# Altium PCB 15-34级主板.PcbDoc (part 1 of 4)
Units mil, origin at the board's own origin, x right, y up, seen from the top; angles counter-clockwise.
Board outline 2090.18 x 2701.44 mil, 2 copper layers (Top Layer, Bottom Layer); 13 components, 36 nets, 276 pads, 223 vias.
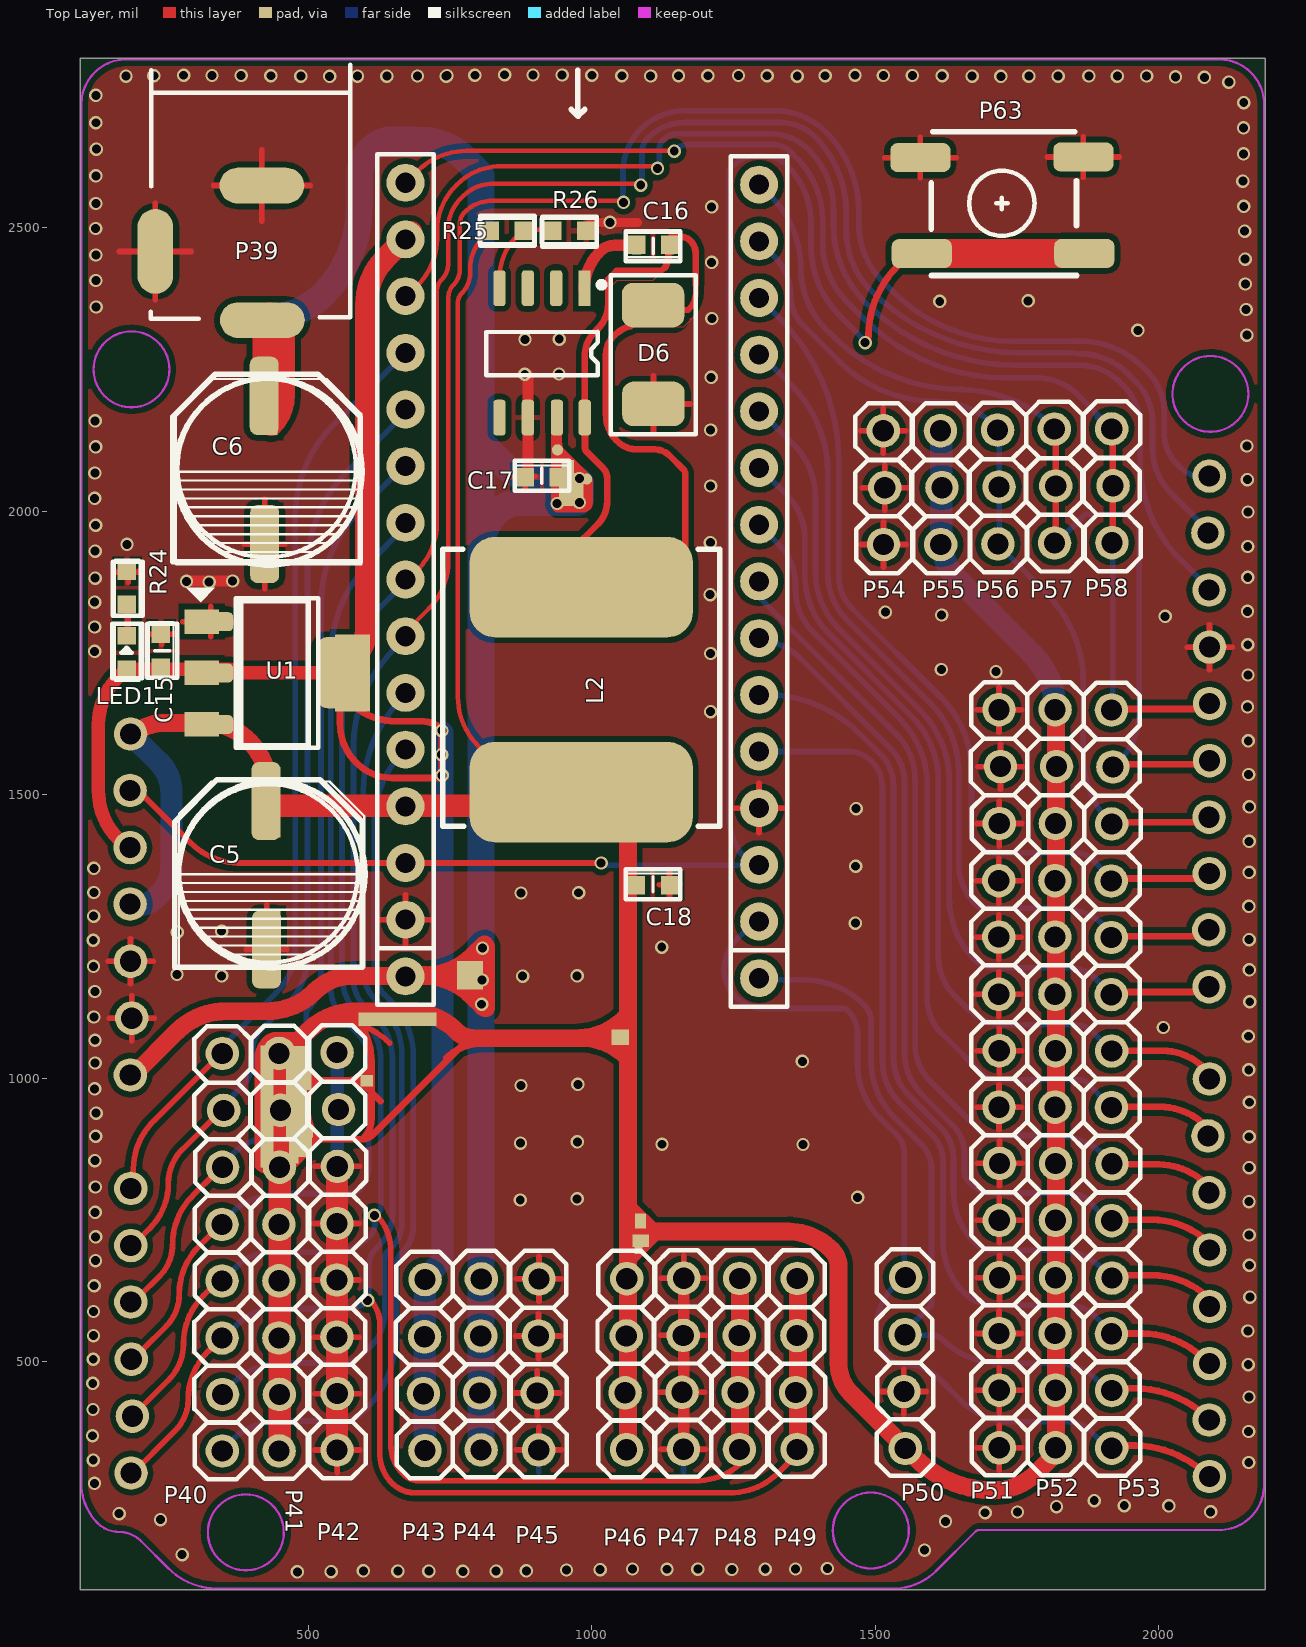
[diagram p0: Top Layer view]
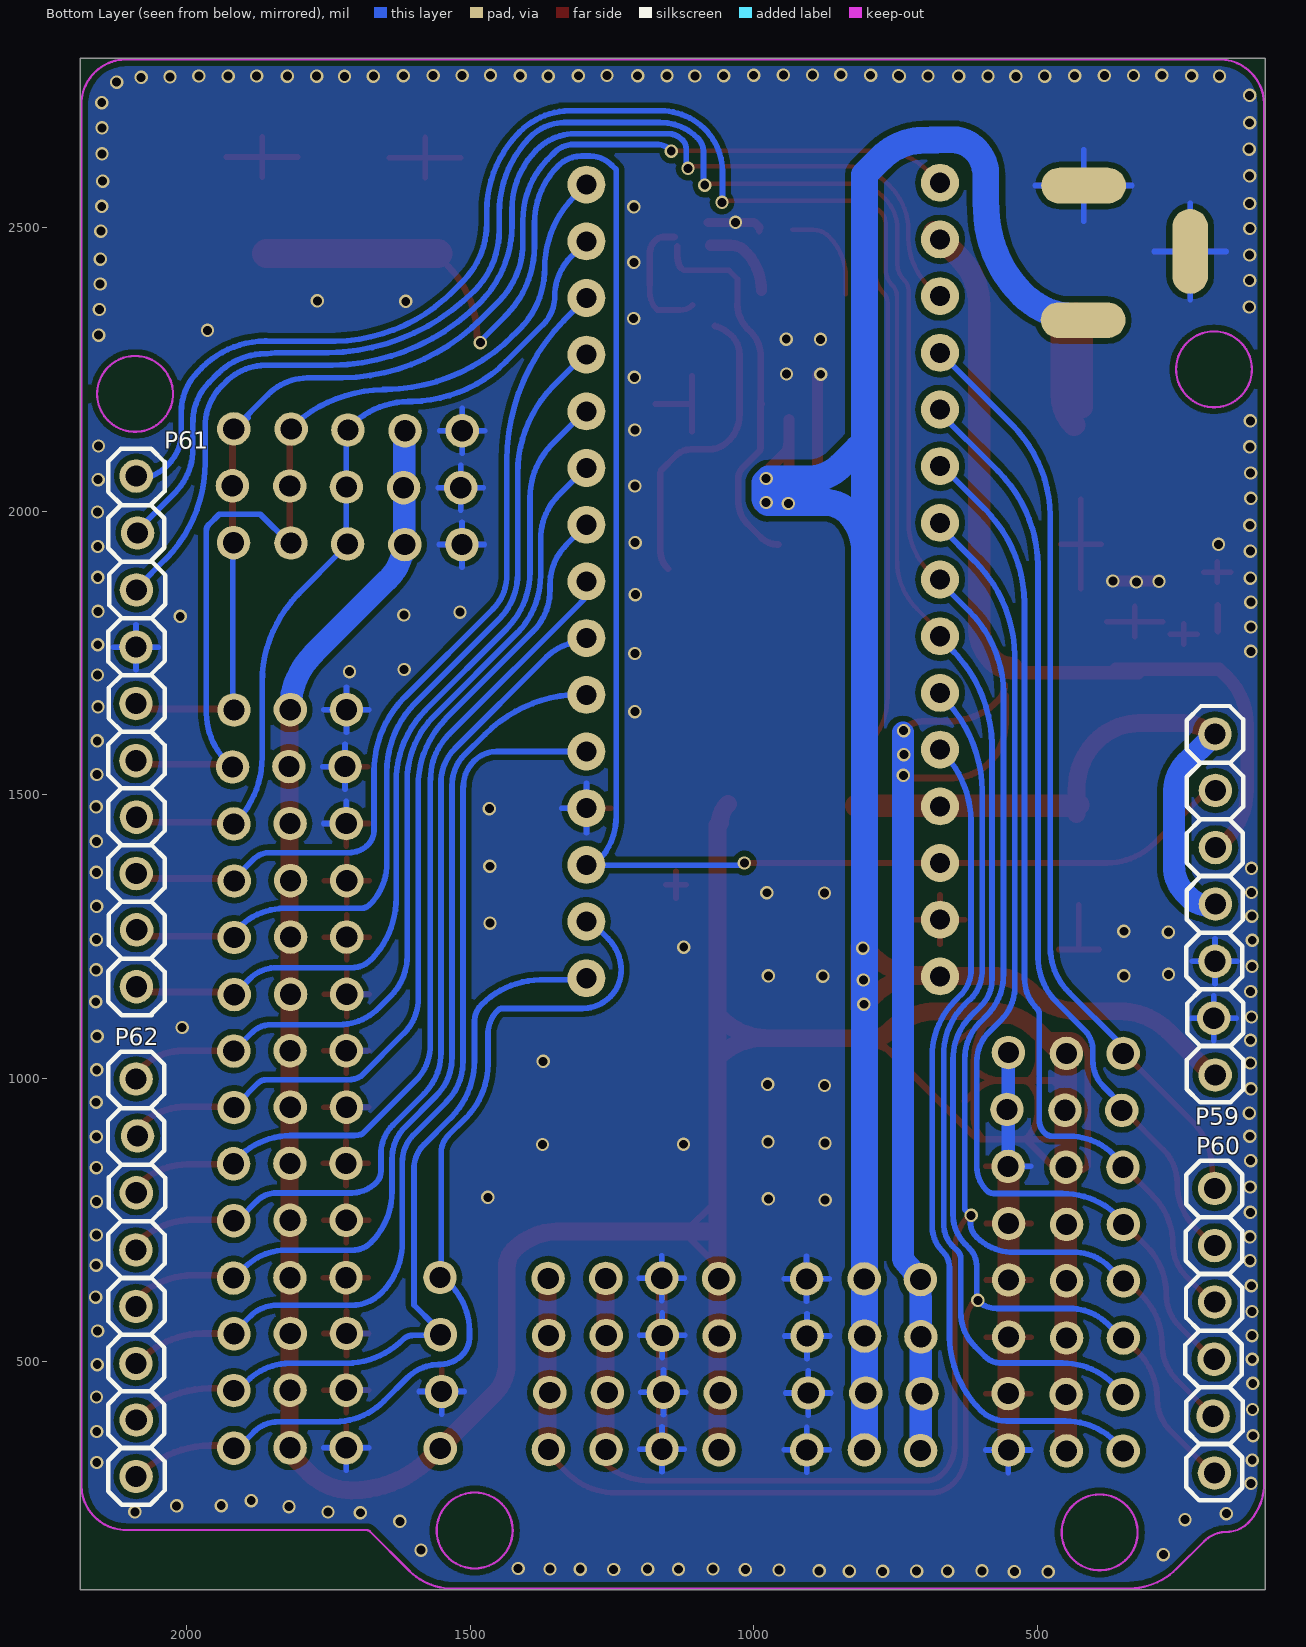
[diagram p1: Bottom Layer view, seen from below]
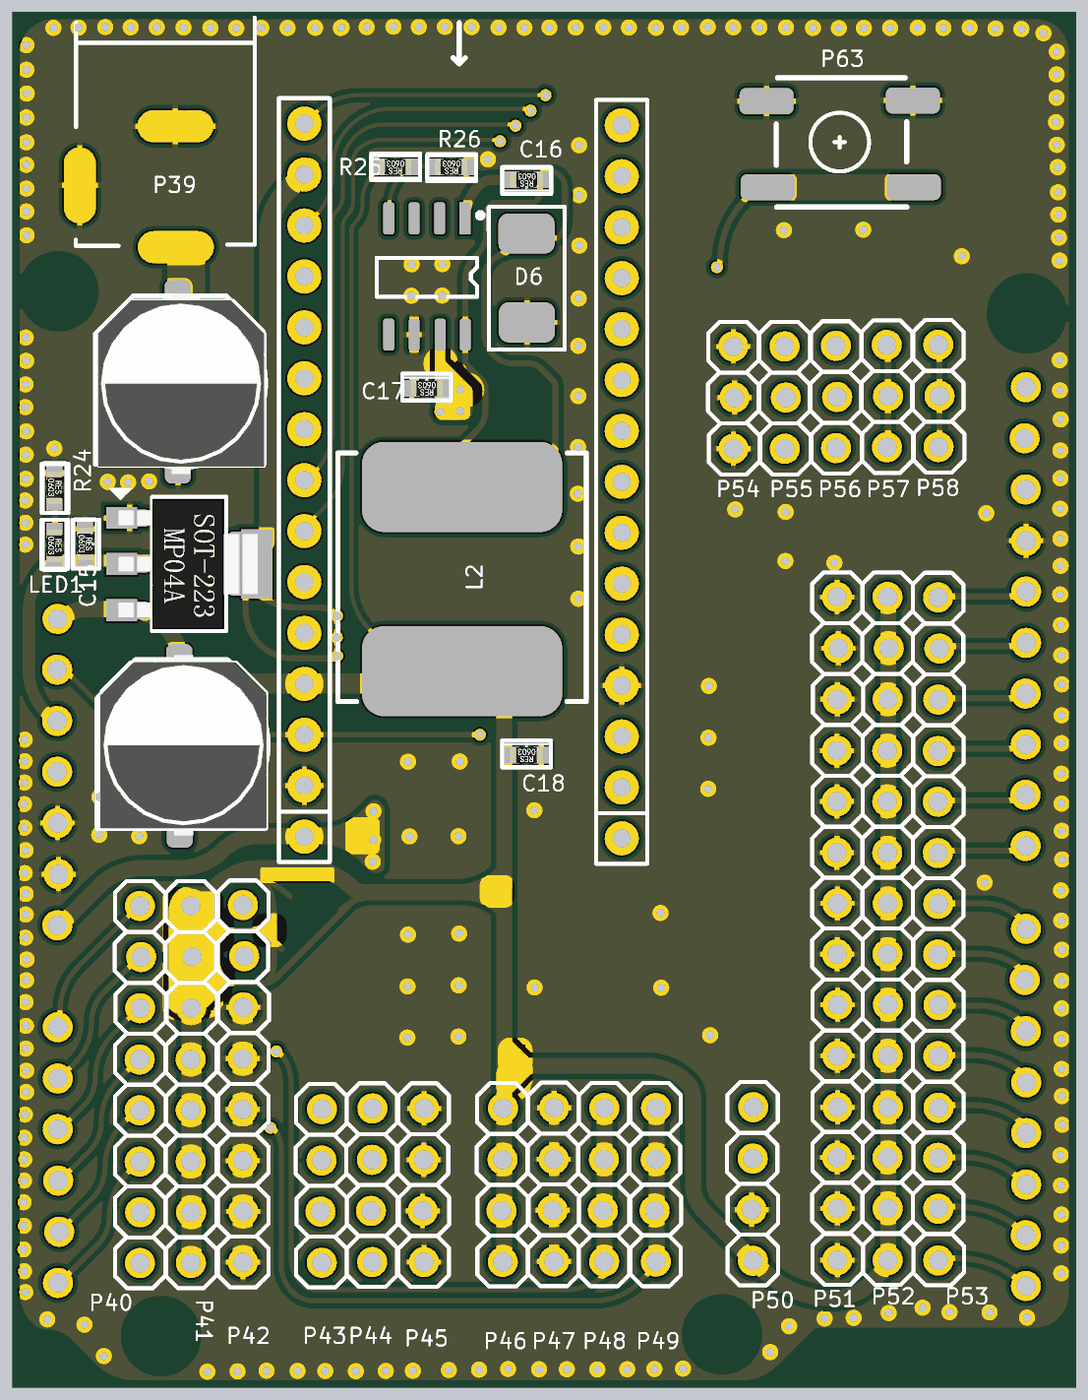
[diagram p5: 3D render of the assembled board from above, using the file's embedded part models]

## Layer stack, top to bottom
Top Layer: signal copper 1.4
Dielectric: dielectric 12.6, FR-4, Dk 4.8
Bottom Layer: signal copper 1.4

## Board outline
97.7,97.7 2187.88,97.7 2187.88,2799.14 97.7,2799.14

## Design rules (kind name [scope] priority, off if disabled: settings)
Clearance [All] p1: gap=10
PolygonConnect PolygonConnect_1 [isvia] p1: connectstyle=Direct reliefconductorwidth=10 reliefentries=4 polygonreliefangle="90 Angle" airgapwidth=10
PolygonConnect CAM_PolygonConnect_$Net45 [InNet('$Net45')] p2: connectstyle=Direct reliefconductorwidth=10 reliefentries=4 polygonreliefangle="90 Angle" airgapwidth=10
PolygonConnect CAM_PolygonConnect_$Net37 [InNet('$Net37')] p3: connectstyle=Direct reliefconductorwidth=10 reliefentries=4 polygonreliefangle="90 Angle" airgapwidth=10
PolygonConnect [All] p4: connectstyle=Relief reliefconductorwidth=10 reliefentries=4 polygonreliefangle="90 Angle" airgapwidth=10
RoutingVias [All] p1: holewidth=28 width=50 viastyle="Through Hole" minholewidth=28 minwidth=50 maxholewidth=28 maxwidth=50
SolderMaskExpansion [All] p1: expansion=4
Width [All] p1: maxlimit=10 minlimit=10 preferedwidth=10
28 further rules are at their usual default settings.

## Components (designator, comment, footprint, x,y, rotation, side; value= is the part's Value field where it differs from the comment)
C5 "330UF 25V" 电解电容8*11.9mm 435,1360 r270 top
C6 "330UF 25V" 电解电容8*11.9mm 430,2070 r270 top
C15 "104 50V 10%" 0603-R 240,1754.14 r270 top
C16 "104 50V 10%" 0603-R 1108.1,2470 r180 top
C17 "104 50V 10%" 0603-R 911.85,2060 r180 top
C18 "104 50V 10%" 0603-R 1107.9,1340 r180 top
D6 "SS34" "sma - duplicate" 1102.99,2283.82 r0 top
L2 "330uh" 330 995,1690 r0 top
LED1 "Comment" 0603-R 180,1750.91 r270 top
R24 "10k 5%" 0603-R 180,1865 r270 top
R25 "16.2k  1%" 0603-R 850,2495 r180 top
R26 "5.1k 1%" 0603-R 960,2495 r180 top
U1 "1117 3.3v" SOT223 445,1715 r270 top

## Footprints (in the part's own frame and the unit in brackets; to place one, negate y for a bottom-side part, rotate by r counter-clockwise, add the part's x,y. Pads: shape width x height; smd on the part's side, far side on the other; paste and mask are expansions set on the pad)
330 [mil]
  rrect50% 393.7x177.17 smd paste+0 mask+4: 1(-13.67,-185.33) 1(-13.67,176.33)
  silkscreen extent -258,-245 230,243
0603-R [mm]
  rect 0.8x0.83 smd: 1(-0.75,0) 2(0.75,0)
  silkscreen extent -1.27,-0.53 1.27,0.56, body extent -0.8,-0.39 0.8,0.41, height 0.45
"sma - duplicate" [mil]
  rrect50% 110.24x78.74 smd paste+0 mask+4: 1(5,80) 1(5.83,-94.37)
  silkscreen extent -69,-148 80,132
SOT223 [mm]
  rect 1.1x1.55 smd: 1(-2.3,-3.375) 2(0,-3.375) 3(2.3,-3.375)
  rect 3.45x1.55 smd: 4(0,3.375)
  silkscreen extent -3.81,-4.06 3.35,1.85, body extent -3.25,-3.53 3.25,3.43, height 1.7
电解电容8*11.9mm [mm]
  rect 3.15x0.8 smd: 1(-3.225,0) 2(3.225,0)
  silkscreen extent -4.18,-4.19 4.18,4.19, body extent -4.48,-4.18 4.52,4.12, height 11.9

## Free pads (board coordinates)
  round 59.05 hole 37.4: 0(185.49,1307.18) 0(185.49,1406.76) 0(185.5,1507.58) 0(185.92,1005.52) 0(186.32,1607.17) 0(186.33,1206.33) 0(186.74,605.09) 0(186.74,704.68) 0(186.75,805.5) 0(187.17,303.43) 0(187.58,504.25) 0(188.42,1105.92) 0(189.62,403.78) 0(347.77,642.37) 0(347.77,741.96) 0(347.78,541.55) 0(348.2,342.37) 0(348.2,1043.62) 0(348.2,1043.62) 0(348.61,441.96) 0(348.62,842.8) 0(350.7,943.22) 0(447.99,642.58) 0(447.99,742.17) 0(448,541.76) 0(448.42,342.58) 0(448.42,1043.83) 0(448.83,442.17) 0(448.84,843.01) 0(450.92,943.43) 0(550.28,644.04) 0(550.28,743.63) 0(550.29,543.22) 0(550.71,344.04) 0(550.71,1045.29) 0(551.12,443.63) 0(551.13,844.47) 0(553.21,944.89) 0(703.02,443.41) 0(703.02,443.41) 0(705.1,543.83) 0(705.52,343.02) 0(705.52,343.02) 0(705.94,644.67) 0(802.18,444.67) 0(802.18,444.67) 0(804.26,545.09) 0(804.68,344.28) 0(804.68,344.28) 0(805.1,645.93) 0(903.85,444.67) 0(903.85,444.67) 0(905.93,545.09) 0(906.35,344.28) 0(906.35,344.28) 0(906.77,645.93) 0(1058.82,445.06) 0(1060.9,545.48) 0(1061.31,344.67) 0(1061.74,646.32) 0(1159.25,445.91) 0(1161.33,546.33) 0(1161.74,345.52) 0(1162.17,647.17) 0(1258,445.49) 0(1260.08,545.91) 0(1260.49,345.1) 0(1260.92,646.75) 0(1359.66,445.49) 0(1361.74,545.91) 0(1362.15,345.1) 0(1362.58,646.75) 0(1514.25,2142.15) 0(1514.67,1941.33) 0(1516.75,2041.75) 0(1550.49,447.18) 0(1552.57,547.59) 0(1552.99,346.78) 0(1553.42,648.43) 0(1615.07,2142.14) 0(1615.49,1941.32) 0(1617.57,2041.74) 0(1715.92,2143.4) 0(1716.34,1942.58) 0(1717.99,1248.84) 0(1717.99,1348.43) 0(1717.99,1348.43) 0(1718,1148.02) 0(1718.42,549.69) 0(1718.42,948.83) 0(1718.42,1650.08) 0(1718.42,2043) 0(1718.82,449.68) 0(1718.82,1048.43) 0(1718.83,348.02) 0(1718.83,749.27) 0(1718.83,1449.27) 0(1719.24,849.68) 0(1719.25,648.02) 0(1720.92,1549.69) 0(1815.91,2145.06) 0(1816.33,1944.24) 0(1816.94,1248.83) 0(1816.94,1348.42) 0(1816.94,1348.42) 0(1816.95,1148.01) 0(1817.37,549.68) 0(1817.37,948.82) 0(1817.37,1650.07) 0(1817.77,449.67) 0(1817.77,1048.42) 0(1817.78,348.01) 0(1817.78,749.26) 0(1817.78,1449.26) 0(1818.19,849.67) 0(1818.2,648.01) 0(1818.41,2044.66) 0(1819.87,1549.68) 0(1916.31,1248.21) 0(1916.31,1347.8) 0(1916.31,1347.8) 0(1916.32,1147.38) 0(1916.74,549.05) 0(1916.74,948.19) 0(1916.74,1649.45) 0(1917.14,449.04) 0(1917.14,1047.79) 0(1917.15,347.38) 0(1917.15,748.63) 0(1917.15,1448.64) 0(1917.17,2145.48) 0(1917.56,849.04) 0(1917.57,647.38) 0(1917.59,1944.66) 0(1919.24,1549.06) 0(1919.67,2045.08) 0(2086.75,1961.75) 0(2086.95,898.22) 0(2088.43,1261.74) 0(2088.83,1161.33) 0(2088.83,1861.33) 0(2088.84,1460.49) 0(2089.03,797.8) 0(2089.04,396.96) 0(2089.25,1360.9) 0(2089.25,2062.15) 0(2089.45,297.37) 0(2089.45,998.62) 0(2089.67,1560.08) 0(2089.68,1660.91) 0(2089.68,1760.49) 0(2089.87,496.55) 0(2089.88,597.38) 0(2089.88,696.96)
  round 66.93 hole 35.43: 0(671.33,1179.65) 0(671.33,1279.65) 0(671.33,1379.65) 0(671.33,1479.65) 0(671.33,1579.65) 0(671.33,1679.65) 0(671.33,1779.65) 0(671.33,1879.65) 0(671.33,1979.65) 0(671.33,2079.65) 0(671.33,2179.65) 0(671.33,2279.65) 0(671.33,2379.65) 0(671.33,2479.65) 0(671.33,2579.65) 0(1295.08,1176.33) 0(1295.08,1276.33) 0(1295.08,1376.33) 0(1295.08,1476.33) 0(1295.08,1576.33) 0(1295.08,1676.33) 0(1295.08,1776.33) 0(1295.08,1876.33) 0(1295.08,1976.33) 0(1295.08,2076.33) 0(1295.08,2176.33) 0(1295.08,2276.33) 0(1295.08,2376.33) 0(1295.08,2476.33) 0(1295.08,2576.33)
  rect 27.56x15.75 smd paste+0 mask+4: 1(179.87,1724.45) 1(179.87,1782.99) 1(182.17,1834.04) 1(182.17,1892.58) 1(241.33,1724.87) 1(241.33,1783.42)
  oval 62.99x149.61 smd paste-74.81 mask+4: 1(230.08,2458.41)
  oval 62.99x149.61 smd far side paste-74.81 mask+4: 1(230.08,2458.41)
  rrect50% 78.74x33.47 smd paste+0 mask+4: 1(327.99,1624.13) 1(327.99,1714.68) 1(327.99,1805.23)
  oval 149.61x62.99 smd paste-74.81 mask+4: 1(417.99,2574.66) 1(418.83,2337.17)
  oval 149.61x62.99 smd far side paste-74.81 mask+4: 1(417.99,2574.66) 1(418.83,2337.17)
  rrect50% 51.18x137.8 smd paste+0 mask+4: 1(422.17,2203.83) 1(423,1942.15) 1(425.49,1488.84) 1(426.32,1227.16)
  rect 23.33x215.83 smd paste-107.91 mask+22.34: 1(427.17,950.08)
  rect 17.07x50.44 smd paste-25.22 mask+25.46: 1(474.04,874.46)
  rect 37.08x163.33 smd paste-81.67 mask+15.46: 1(479.04,975.08)
  rect 27.92x37.08 smd paste-18.54 mask+20.04: 1(482.37,879.88)
  rect 22.5x23.33 smd paste-11.66 mask+22.75: 1(495.49,885.91)
  rect 12.93x35.41 smd paste-17.7 mask+27.54: 1(499.45,996.54)
  rect 14.99x21.68 smd paste-10.84 mask+26.5: 1(500.91,906.33)
  rrect50% 78.74x125.98 smd paste+0 mask+4: 1(553.82,1715.49)
  rect 21.66x20.43 smd paste-10.83 mask+23.17: 1(602.99,995.7)
  rect 137.5x23.33 smd paste-68.75: 1(657.58,1103.83)
  rect 45.83x50.01 smd paste-25 mask+11.09: 1(785.5,1181.34)
  rect 15.75x27.56 smd paste+0 mask+4: 1(821.73,2495.5) 1(880.27,2495.5) 1(882.57,2061.78) 1(931.74,2493.84) 1(941.12,2061.78) 1(990.28,2493.84) 1(1078.62,1341.12) 1(1078.82,2467.18) 1(1137.16,1341.12) 1(1137.37,2467.18)
  rrect50% 21.65x62.99 smd paste+0 mask+4: 1(837.16,2165.35) 1(837.16,2393.7) 1(887.16,2393.7) 1(887.17,2165.35) 1(937.16,2393.7) 1(938.41,2165.35) 1(987.57,2165.35)
  round 19.68 smd paste-9.84 mask+24.16: 1(939.46,2108.41) 1(990.92,2056.96)
  rect 22.48x29.18 smd paste-14.59 mask+22.76: 1(957.58,2076.33)
  rect 43.32x58.75 smd paste-29.38 mask+12.34: 1(963.41,2038.62)
  rrect50% 393.7x177.17 smd paste+0 mask+4: 1(981.33,1504.67) 1(981.33,1866.33)
  rect 21.65x62.99 smd paste+0 mask+4: 1(987.16,2393.7)
  rect 30.83x26.68 smd paste-15.41 mask+18.59: 1(1050.08,1072.16)
  rect 14.17x22.07 smd paste-11.04 mask+26.91: 1(1082.16,700.71)
  rect 19.57x26.24 smd paste-13.12 mask+24.21: 1(1085.7,747.8)
  rect 28.32x22.49 smd paste-14.16 mask+19.84: 1(1086.33,713.42)
  rrect50% 110.24x78.74 smd paste+0 mask+4: 1(1107.99,2363.82) 1(1108.82,2189.45)
  rrect50% 106.3x51.18 smd paste+0 mask+4: 1(1579.67,2623.85) 1(1582.17,2454.67) 1(1867.17,2625.1) 1(1868.84,2455.09)

## Via types
v1: diameter 23.62, hole 15.75, Top Layer to Bottom Layer, 223 vias

## Nets (pads, with @x,y where several pads share a name; then routed paths per layer and width w, separated by ;. In a path a pad name is that pad's centre, name@x,y a point inside that pad or via, vN(x,y) a via of type N, cw(c..) or ccw(c..) an arc to the next point about the centre after c; other vN are vias at no path point)
$Net0: C15.1 C17.2 D6.1@1108.82,2189.45 pad.0@186.33,1206.33 pad.0@188.42,1105.92 pad.0@550.28,644.04 pad.0@550.28,743.63 pad.0@550.29,543.22 pad.0@550.71,344.04 pad.0@550.71,1045.29 pad.0@551.12,443.63 pad.0@551.13,844.47 pad.0@553.21,944.89 pad.0@671.33,1279.65 pad.0@903.85,444.67 pad.0@905.93,545.09 pad.0@906.35,344.28 pad.0@906.77,645.93 pad.0@1159.25,445.91 pad.0@1161.33,546.33 pad.0@1161.74,345.52 pad.0@1162.17,647.17 pad.0@1295.08,1476.33 pad.0@1514.25,2142.15 pad.0@1514.67,1941.33 pad.0@1516.75,2041.75 pad.0@1550.49,447.18 pad.0@1717.99,1248.84 pad.0@1717.99,1348.43 pad.0@1718,1148.02 pad.0@1718.42,549.69 pad.0@1718.42,948.83 pad.0@1718.42,1650.08 pad.0@1718.82,449.68 pad.0@1718.82,1048.43 pad.0@1718.83,348.02 pad.0@1718.83,749.27 pad.0@1718.83,1449.27 pad.0@1719.24,849.68 pad.0@1719.25,648.02 pad.0@1720.92,1549.69 pad.0@2089.68,1760.49 pad.1@182.17,1892.58 pad.1@230.08,2458.41 pad.1@241.33,1783.42 pad.1@327.99,1805.23 pad.1@417.99,2574.66 pad.1@423,1942.15 pad.1@426.32,1227.16 pad.1@882.57,2061.78 pad.1@887.17,2165.35 pad.1@990.28,2493.84 pad.1@1108.82,2189.45 pad.1@1137.16,1341.12 pad.1@1579.67,2623.85 pad.1@1867.17,2625.1 R24.1 R26.1 | length 13000.2
  Top Layer w10: 146.81,1206.33 pad.0@186.33,1206.33 ; 148.89,1105.92 pad.0@188.42,1105.92 ; 158.39,1892.58 pad.1@182.17,1892.58 ; 166.92,2458.41 pad.1@230.08,2458.41 ; 182.17,1874.71 pad.1@182.17,1892.58 ; 182.17,1910.46 pad.1@182.17,1892.58 ; 186.33,1166.81 pad.0@186.33,1206.33 ; 186.33,1245.86 pad.0@186.33,1206.33 ; 188.42,1066.39 pad.0@188.42,1105.92 ; 188.42,1145.44 pad.0@188.42,1105.92 ; 205.95,1892.58 pad.1@182.17,1892.58 ; 217.55,1783.42 pad.1@241.33,1783.42 ; 225.86,1206.33 pad.0@186.33,1206.33 ; 227.94,1105.92 pad.0@188.42,1105.92 ; 230.08,2373.6 pad.1@230.08,2458.41 ; 230.08,2543.21 pad.1@230.08,2458.41 ; 241.33,1765.54 pad.1@241.33,1783.42 ; 241.33,1801.29 pad.1@241.33,1783.42 ; 265.11,1783.42 pad.1@241.33,1783.42 ; 278.62,1805.23 pad.1@327.99,1805.23 ; 293.22,2458.41 pad.1@230.08,2458.41 ; 327.99,1778.49 pad.1@327.99,1805.23 ; 327.99,1831.96 pad.1@327.99,1805.23 ; 333.19,2574.66 pad.1@417.99,2574.66 ; 377.36,1805.23 pad.1@327.99,1805.23 ; 387.41,1942.15 pad.1@423,1942.15 ; 390.73,1227.16 pad.1@426.32,1227.16 ; 417.99,2511.51 pad.1@417.99,2574.66 ; 417.99,2637.81 pad.1@417.99,2574.66 ; 423,1863.25 pad.1@423,1942.15 ; 423,2021.05 pad.1@423,1942.15 ; 426.32,1306.05 pad.1@426.32,1227.16 ; 458.59,1942.15 pad.1@423,1942.15 ; 461.91,1227.16 pad.1@426.32,1227.16 ; 502.79,2574.66 pad.1@417.99,2574.66 ; 510.76,543.23 pad.0@550.29,543.22 ; 510.76,644.05 pad.0@550.28,644.04 ; 510.76,743.63 pad.0@550.28,743.63 ; 511.18,344.04 pad.0@550.71,344.04 ; 511.59,443.63 pad.0@551.12,443.63 ; 511.6,844.48 pad.0@551.13,844.47 ; 550.29,503.7 pad.0@550.29,543.22 ; 550.29,582.75 pad.0@550.29,543.22 ; 550.28,604.52 pad.0@550.28,644.04 ; 550.28,683.58 pad.0@550.28,644.04 ; 550.28,704.11 pad.0@550.28,743.63 ; 550.28,783.16 pad.0@550.28,743.63 ; 550.71,304.51 pad.0@550.71,344.04 ; 550.71,383.57 pad.0@550.71,344.04 ; 551.12,404.11 pad.0@551.12,443.63 ; 551.12,483.16 pad.0@551.12,443.63 ; 551.12,804.95 pad.0@551.13,844.47 ; 589.82,543.23 pad.0@550.29,543.22 ; 589.81,644.05 pad.0@550.28,644.04 ; 589.81,743.63 pad.0@550.28,743.63 ; 590.24,344.04 pad.0@550.71,344.04 ; 590.64,443.63 pad.0@551.12,443.63 ; 590.65,844.48 pad.0@551.13,844.47 ; 627.87,1279.65 pad.0@671.33,1279.65 ; 671.33,1236.18 pad.0@671.33,1279.65 ; 671.33,1323.11 pad.0@671.33,1279.65 ; 714.8,1279.65 pad.0@671.33,1279.65 ; 864.31,444.67 pad.0@903.85,444.67 ; 864.7,2061.78 pad.1@882.57,2061.78 ; 866.4,545.09 pad.0@905.93,545.09 ; 866.81,344.28 pad.0@906.35,344.28 ; 867.24,645.93 pad.0@906.77,645.93 ; 882.57,2038 pad.1@882.57,2061.78 ; 882.57,2085.56 pad.1@882.57,2061.78 ; 900.45,2061.78 pad.1@882.57,2061.78 ; 903.84,405.15 pad.0@903.85,444.67 ; 903.84,484.2 pad.0@903.85,444.67 ; 905.92,505.56 pad.0@905.93,545.09 ; 905.92,584.62 pad.0@905.93,545.09 ; 906.34,383.81 pad.0@906.35,344.28 ; 906.77,606.41 pad.0@906.77,645.93 ; 906.77,685.46 pad.0@906.77,645.93 ; 943.37,444.67 pad.0@903.85,444.67 ; 945.45,545.09 pad.0@905.93,545.09 ; 945.87,344.28 pad.0@906.35,344.28 ; 946.3,645.93 pad.0@906.77,645.93 ; 1108.82,2140.08 D6.1@1108.82,2189.45 ; 1108.82,2238.82 D6.1@1108.82,2189.45 ; 1119.28,1341.12 pad.1@1137.16,1341.12 ; 1119.71,445.91 pad.0@1159.25,445.91 ; 1121.8,546.33 pad.0@1161.33,546.33 ; 1122.21,345.51 pad.0@1161.74,345.52 ; 1122.64,647.17 pad.0@1162.17,647.17 ; 1137.16,1317.34 pad.1@1137.16,1341.12 ; 1137.16,1364.9 pad.1@1137.16,1341.12 ; 1155.03,1341.12 pad.1@1137.16,1341.12 ; 1159.24,406.38 pad.0@1159.25,445.91 ; 1159.24,485.44 pad.0@1159.25,445.91 ; 1161.32,506.8 pad.0@1161.33,546.33 ; 1161.32,585.85 pad.0@1161.33,546.33 ; 1161.74,385.04 pad.0@1161.74,345.52 ; 1162.17,607.64 pad.0@1162.17,647.17 ; 1162.17,686.69 pad.0@1162.17,647.17 ; 1173.94,2189.45 D6.1@1108.82,2189.45 ; 1198.77,445.91 pad.0@1159.25,445.91 ; 1200.85,546.33 pad.0@1161.33,546.33 ; 1201.27,345.51 pad.0@1161.74,345.52 ; 1201.69,647.17 pad.0@1162.17,647.17 ; 1251.62,1476.33 pad.0@1295.08,1476.33 ; 1295.08,1432.87 pad.0@1295.08,1476.33 ; 1295.08,1519.8 pad.0@1295.08,1476.33 ; 1338.55,1476.33 pad.0@1295.08,1476.33 ; 1474.72,2142.15 pad.0@1514.25,2142.15 ; 1475.14,1941.33 pad.0@1514.67,1941.33 ; 1477.22,2041.75 pad.0@1516.75,2041.75 ; 1510.96,447.18 pad.0@1550.49,447.18 ; 1514.25,2102.62 pad.0@1514.25,2142.15 ; 1514.25,2181.67 pad.0@1514.25,2142.15 ; 1514.67,1901.81 pad.0@1514.67,1941.33 ; 1514.67,1980.86 pad.0@1514.67,1941.33 ; 1516.52,2623.85 pad.1@1579.67,2623.85 ; 1516.75,2002.22 pad.0@1516.75,2041.75 ; 1516.75,2081.28 pad.0@1516.75,2041.75 ; 1550.49,407.65 pad.0@1550.49,447.18 ; 1550.49,486.7 pad.0@1550.49,447.18 ; 1553.78,2142.15 pad.0@1514.25,2142.15 ; 1554.2,1941.33 pad.0@1514.67,1941.33 ; 1556.28,2041.75 pad.0@1516.75,2041.75 ; 1579.67,2588.26 pad.1@1579.67,2623.85 ; 1579.67,2659.44 pad.1@1579.67,2623.85 ; 1590.02,447.18 pad.0@1550.49,447.18 ; 1642.82,2623.85 pad.1@1579.67,2623.85 ; 1678.47,1148.02 pad.0@1718,1148.02 ; 1678.46,1248.84 pad.0@1717.99,1248.84 ; 1678.46,1348.43 pad.0@1717.99,1348.43 ; 1678.89,549.69 pad.0@1718.42,549.69 ; 1678.89,948.83 pad.0@1718.42,948.83 ; 1678.89,1650.08 pad.0@1718.42,1650.08 ; 1679.3,449.68 pad.0@1718.82,449.68 ; 1679.3,1048.43 pad.0@1718.82,1048.43 ; 1679.31,348.02 pad.0@1718.83,348.02 ; 1679.31,749.27 pad.0@1718.83,749.27 ; 1679.31,1449.27 pad.0@1718.83,1449.27 ; 1679.72,648.02 pad.0@1719.25,648.02 ; 1679.71,849.68 pad.0@1719.24,849.68 ; 1681.39,1549.69 pad.0@1720.92,1549.69 ; 1718,1108.49 pad.0@1718,1148.02 ; 1718,1187.54 pad.0@1718,1148.02 ; 1717.99,1209.31 pad.0@1717.99,1248.84 ; 1717.99,1288.37 pad.0@1717.99,1248.84 ; 1717.99,1308.9 pad.0@1717.99,1348.43 ; 1717.99,1387.95 pad.0@1717.99,1348.43 ; 1718.42,510.16 pad.0@1718.42,549.69 ; 1718.42,589.21 pad.0@1718.42,549.69 ; 1718.42,909.31 pad.0@1718.42,948.83 ; 1718.42,988.36 pad.0@1718.42,948.83 ; 1718.42,1610.56 pad.0@1718.42,1650.08 ; 1718.42,1689.61 pad.0@1718.42,1650.08 ; 1718.83,308.49 pad.0@1718.83,348.02 ; 1718.83,387.55 pad.0@1718.83,348.02 ; 1718.82,410.15 pad.0@1718.82,449.68 ; 1718.82,489.2 pad.0@1718.82,449.68 ; 1718.83,709.74 pad.0@1718.83,749.27 ; 1718.83,788.79 pad.0@1718.83,749.27 ; 1718.82,1008.9 pad.0@1718.82,1048.43 ; 1718.82,1087.95 pad.0@1718.82,1048.43 ; 1718.83,1409.74 pad.0@1718.83,1449.27 ; 1718.83,1488.8 pad.0@1718.83,1449.27 ; 1719.25,608.49 pad.0@1719.25,648.02 ; 1719.25,687.55 pad.0@1719.25,648.02 ; 1719.24,810.15 pad.0@1719.24,849.68 ; 1719.24,889.2 pad.0@1719.24,849.68 ; 1720.92,1510.16 pad.0@1720.92,1549.69 ; 1720.92,1589.21 pad.0@1720.92,1549.69 ; 1757.53,1148.02 pad.0@1718,1148.02 ; 1757.52,1248.84 pad.0@1717.99,1248.84 ; 1757.52,1348.43 pad.0@1717.99,1348.43 ; 1757.94,549.69 pad.0@1718.42,549.69 ; 1757.94,948.83 pad.0@1718.42,948.83 ; 1757.94,1650.08 pad.0@1718.42,1650.08 ; 1758.35,449.68 pad.0@1718.82,449.68 ; 1758.35,1048.43 pad.0@1718.82,1048.43 ; 1758.36,348.02 pad.0@1718.83,348.02 ; 1758.36,749.27 pad.0@1718.83,749.27 ; 1758.36,1449.27 pad.0@1718.83,1449.27 ; 1758.78,648.02 pad.0@1719.25,648.02 ; 1758.77,849.68 pad.0@1719.24,849.68 ; 1760.44,1549.69 pad.0@1720.92,1549.69 ; 1804.02,2625.1 pad.1@1867.17,2625.1 ; 1867.17,2589.51 pad.1@1867.17,2625.1 ; 1867.17,2660.69 pad.1@1867.17,2625.1 ; 1930.32,2625.1 pad.1@1867.17,2625.1 ; 2050.15,1760.49 pad.0@2089.68,1760.49 ; 2089.68,1720.96 pad.0@2089.68,1760.49 ; 2089.68,1800.02 pad.0@2089.68,1760.49 ; 2129.2,1760.49 pad.0@2089.68,1760.49
  Top Layer w11.81: pad.1@990.28,2493.84 pad.1@990.28,2500.72
  Top Layer w15.75: pad.1@990.28,2500.72 999.23,2509.67 v1(1032.17,2509.67) 1080.96,2509.67
  Top Layer w19.68: v1(285.08,1876.33) 285.93,1877.17 v1(366.34,1877.17) ; pad.1@882.57,2061.78 887.17,2066.37 pad.1@887.17,2165.35 v1@887.17,2240.08 ; pad.0@1161.74,345.52 1162.17,345.94 pad.0@1162.17,647.17
  Top Layer w39.37: pad.0@550.53,338.03 pad.0@550.53,849.38
  Bottom Layer w10: 146.81,1206.33 pad.0@186.33,1206.33 ; 148.89,1105.92 pad.0@188.42,1105.92 ; 166.92,2458.41 pad.1@230.08,2458.41 ; 186.33,1166.81 pad.0@186.33,1206.33 ; 186.33,1245.86 pad.0@186.33,1206.33 ; 188.42,1066.39 pad.0@188.42,1105.92 ; 188.42,1145.44 pad.0@188.42,1105.92 ; 225.86,1206.33 pad.0@186.33,1206.33 ; 227.94,1105.92 pad.0@188.42,1105.92 ; 230.08,2373.6 pad.1@230.08,2458.41 ; 230.08,2543.21 pad.1@230.08,2458.41 ; 293.22,2458.41 pad.1@230.08,2458.41 ; 333.19,2574.66 pad.1@417.99,2574.66 ; 417.99,2511.51 pad.1@417.99,2574.66 ; 417.99,2637.81 pad.1@417.99,2574.66 ; 502.79,2574.66 pad.1@417.99,2574.66 ; 511.18,344.04 pad.0@550.71,344.04 ; 511.6,844.48 pad.0@551.13,844.47 551.12,884 ; 550.71,304.51 pad.0@550.71,344.04 ; 550.71,1005.76 pad.0@550.71,1045.29 ; 553.21,905.36 pad.0@553.21,944.89 553.21,984.42 ; 590.24,344.04 pad.0@550.71,344.04 ; 864.31,444.67 pad.0@903.85,444.67 ; 866.4,545.09 pad.0@905.93,545.09 ; 866.81,344.28 pad.0@906.35,344.28 ; 867.24,645.93 pad.0@906.77,645.93 ; 903.84,405.15 pad.0@903.85,444.67 ; 903.84,484.2 pad.0@903.85,444.67 ; 905.92,505.56 pad.0@905.93,545.09 ; 905.92,584.62 pad.0@905.93,545.09 ; 906.34,304.75 pad.0@906.35,344.28 ; 906.34,383.81 pad.0@906.35,344.28 ; 906.77,606.41 pad.0@906.77,645.93 ; 906.77,685.46 pad.0@906.77,645.93 ; 943.37,444.67 pad.0@903.85,444.67 ; 945.45,545.09 pad.0@905.93,545.09 ; 945.87,344.28 pad.0@906.35,344.28 ; 946.3,645.93 pad.0@906.77,645.93 ; 1119.71,445.91 pad.0@1159.25,445.91 ; 1121.8,546.33 pad.0@1161.33,546.33 ; 1122.21,345.51 pad.0@1161.74,345.52 ; 1122.64,647.17 pad.0@1162.17,647.17 ; 1159.24,406.38 pad.0@1159.25,445.91 ; 1159.24,485.44 pad.0@1159.25,445.91 ; 1161.32,506.8 pad.0@1161.33,546.33 ; 1161.32,585.85 pad.0@1161.33,546.33 ; 1161.74,305.98 pad.0@1161.74,345.52 ; 1161.74,385.04 pad.0@1161.74,345.52 ; 1162.17,607.64 pad.0@1162.17,647.17 ; 1162.17,686.69 pad.0@1162.17,647.17 ; 1198.77,445.91 pad.0@1159.25,445.91 ; 1200.85,546.33 pad.0@1161.33,546.33 ; 1201.27,345.51 pad.0@1161.74,345.52 ; 1201.69,647.17 pad.0@1162.17,647.17 ; 1295.08,1432.87 pad.0@1295.08,1476.33 ; 1295.08,1519.8 pad.0@1295.08,1476.33 ; 1338.55,1476.33 pad.0@1295.08,1476.33 ; 1474.72,2142.15 pad.0@1514.25,2142.15 ; 1475.14,1941.33 pad.0@1514.67,1941.33 ; 1477.22,2041.75 pad.0@1516.75,2041.75 ; 1510.96,447.18 pad.0@1550.49,447.18 ; 1514.25,2102.62 pad.0@1514.25,2142.15 ; 1514.25,2181.67 pad.0@1514.25,2142.15 ; 1514.67,1901.81 pad.0@1514.67,1941.33 ; 1514.67,1980.86 pad.0@1514.67,1941.33 ; 1516.75,2002.22 pad.0@1516.75,2041.75 ; 1516.75,2081.28 pad.0@1516.75,2041.75 ; 1550.49,407.65 pad.0@1550.49,447.18 ; 1553.78,2142.15 pad.0@1514.25,2142.15 ; 1554.2,1941.33 pad.0@1514.67,1941.33 ; 1556.28,2041.75 pad.0@1516.75,2041.75 ; 1590.02,447.18 pad.0@1550.49,447.18 ; 1678.89,1650.08 pad.0@1718.42,1650.08 ; 1679.31,348.02 pad.0@1718.83,348.02 ; 1718.42,1610.56 pad.0@1718.42,1650.08 ; 1718.42,1689.61 pad.0@1718.42,1650.08 ; 1718.83,308.49 pad.0@1718.83,348.02 ; 1718.83,1488.8 pad.0@1718.83,1449.27 1758.36,1449.27 ; 1720.92,1510.16 pad.0@1720.92,1549.69 ; 1720.92,1589.21 pad.0@1720.92,1549.69 ; 1757.94,1650.08 pad.0@1718.42,1650.08 ; 1758.36,348.02 pad.0@1718.83,348.02 ; 1760.44,1549.69 pad.0@1720.92,1549.69 ; 2050.15,1760.49 pad.0@2089.68,1760.49 ; 2089.68,1720.96 pad.0@2089.68,1760.49 ; 2089.68,1800.02 pad.0@2089.68,1760.49 ; 2129.2,1760.49 pad.0@2089.68,1760.49
  Bottom Layer w23.62: pad.0@550.71,1045.29 550.71,844.89 pad.0@551.13,844.47
  other v1: 480.71,129.02 540.08,129.66 772.57,130.06 597.16,130.91 658,130.48 712.57,130.49 831.32,130.49 884.66,130.91 955.3,132.36 1014.67,133 1071.75,134.25 1132.59,133.82 1187.17,133.83 1247.16,133.41 1305.92,133.83 1359.25,134.25 1415.5,135.08 277.37,159.68 1586.96,167.58 1624.04,218.21 239.24,221.32 166.12,231.74 1693.83,233.41 1750.91,234.66 2091.54,235.08 1819.66,244.24 1939.24,245.93 2017.99,245.49 1886.33,254.67 122.8,285.3 2158.83,322.17 120.49,326.32 119.24,369.24 2158.82,376.74 120.07,415.49 2159.25,437.58 119.66,461.74 2158,494.66 120.49,504.24 120.92,545.92 2157.36,554.03 120.92,588.42 2160.92,613.83 122.17,633.83 2160.08,670.08 124.47,678.22 124.67,720.08 2159.67,723.42 123.83,763.42 2159.24,782.18 873.83,785.1 974.24,787.18 1468.83,789.67 124.24,807.99 2159.67,842.17 123.42,854.67 1372.57,882.99 1123.83,883.42 874.26,885.51 974.67,887.58 2159.66,896.74 124.67,897.58 125.49,938.43 2160.08,957.58 122.99,981.32 875.09,987.17 975.5,989.25 2158.83,1014.67 123.83,1026.75 1371.33,1029.67 123.64,1066.97 2158.2,1074.03 2008.2,1089.45 121.74,1107.99 2160.7,1134.87 123.41,1152.99 877.99,1180.07 346.95,1180.49 974.24,1180.49 268.21,1183.21 2159.87,1191.12 120.91,1197.16 1123.42,1231.33 120.49,1243.41 2159.45,1244.45 268.62,1257.57 346.95,1259.24 1465.07,1273.43 121.32,1285.91 2159.02,1303.21 875.07,1326.74 976.74,1327.18 121.75,1327.58 2159.45,1363.2 121.75,1370.08 1465.5,1373.83 2159.44,1417.77 1466.33,1475.5 2159.87,1478.62 2158.62,1535.7 2157.98,1595.06 1209.69,1646.77 2156.75,1655.08 2157.58,1711.33 1712.99,1717.18 1616.74,1720.93 1209.69,1749.27 123,1753.02 2157.17,1764.67 123,1795.92 2011.52,1814.67 1617.17,1817.17 1517.99,1822.18 2156.74,1823.43 122.99,1839.68 1208.83,1853 325.02,1875.36 123.83,1882.17 2157.17,1883.42 123.83,1929.67 2157.16,1937.99 180.09,1941.76 1209.25,1944.68 124.66,1975.49 2157.58,1998.83 122.99,2022.99 1209.68,2044.68 2156.33,2055.92 123.41,2067.57 124.67,2113.83 2155.7,2115.28 1209.68,2143.43 123.84,2159.67 1210.5,2236.33 881.74,2241.74 942.17,2242.17 882.17,2303.42 942.58,2303.83 2155.49,2310.93 1963.41,2319.24 1211.75,2340.08 2154.24,2355.93 125.49,2360.49 1613.82,2370.49 1769.67,2371.33 2152.99,2400.93 125.08,2407.17 1211.34,2439.05 2152.38,2444.89 125.08,2452.17 2151.75,2494.25 124.67,2498.83 1211.34,2537.17 2150.07,2537.99 125.07,2542.99 2148.42,2582.58 125.07,2591.74 2149.66,2630.49 125.92,2638.83 2149.67,2676.33 125.07,2685.49 2150.08,2720.92 125.08,2733.81 2123.83,2757.17 2080.49,2765.49 537.58,2767.17 1721.75,2767.17 2029.67,2766.33 178.22,2767.78 486.74,2767.57 586.74,2767.57 638.42,2767.58 692.57,2767.99 742.99,2767.57 1103.83,2768 1362.39,2767.78 1670.91,2767.57 1770.91,2767.57 1822.58,2767.58 1876.74,2767.99 1927.16,2767.57 1978.82,2767.99 227.58,2768.42 280.07,2769.24 330.08,2768.83 381.33,2768.83 433.83,2768.42 744.47,2768.62 793.83,2769.25 1000.08,2769.25 1052.99,2768.41 1152.99,2768.41 1204.67,2768.42 1258.82,2768.83 1309.24,2768.41 1411.75,2768.42 1464.24,2769.24 1514.25,2768.83 1565.5,2768.83 1618,2768.42 846.32,2770.08 896.33,2769.67 947.58,2769.67
$Net1: C17.1 pad.0@185.92,1005.52 pad.0@671.33,1179.65 pad.0@802.18,444.67 pad.0@804.26,545.09 pad.0@804.68,344.28 pad.0@805.1,645.93 pad.1@418.83,2337.17 pad.1@785.5,1181.34 pad.1@938.41,2165.35 pad.1@939.46,2108.41 pad.1@941.12,2061.78 pad.1@957.58,2076.33 pad.1@963.41,2038.62 pad.1@990.92,2056.96 | length 4678.5
  Top Layer w19.68: pad.1@937.99,2161.74 937.99,2013.02 938.01,2012.52 938.06,2012.03 938.15,2011.54 938.27,2011.06 938.42,2010.59 938.6,2010.13 938.82,2009.68 939.07,2009.25 939.35,2008.84 939.65,2008.45 939.99,2008.08 940.07,2007.99 940.14,2007.92 940.22,2007.86 940.3,2007.8 940.39,2007.75 940.48,2007.71 940.57,2007.67 940.66,2007.63 940.76,2007.61 940.86,2007.59 940.96,2007.58 v1@941.05,2007.57 ; pad.1@938.42,2117.58 938.48,2115.9 938.65,2114.22 938.95,2112.56 939.36,2110.93 939.88,2109.32 940.51,2107.76 941.25,2106.25 942.09,2104.79 943.03,2103.39 944.07,2102.06 945.2,2100.81 945.49,2100.51 ; pad.1@939.46,2108.41 pad.1@990.92,2056.96 ; v1@941.08,2007.57 981.68,2007.57 982.67,2007.6 983.66,2007.71 984.64,2007.88 985.6,2008.12 986.55,2008.43 987.47,2008.8 988.36,2009.24 989.22,2009.73 990.04,2010.29 990.83,2010.9 991.56,2011.56 991.74,2011.74 ; pad.1@990.92,2051.55 990.9,2052.15 990.84,2052.74 990.73,2053.33 990.59,2053.9 990.4,2054.47 990.18,2055.02 989.92,2055.56 989.62,2056.08 989.29,2056.57 988.92,2057.04 988.52,2057.48 988.42,2057.58 991.95,2054.05 991.95,2014.76 990.92,2013.73 990.93,2013.53 990.95,2013.34 990.98,2013.15 991.03,2012.96 991.09,2012.77 991.16,2012.59 991.25,2012.41 991.35,2012.24 991.46,2012.08 991.58,2011.92 991.71,2011.78
  Top Layer w31.5: pad.0@187.58,1003.83 187.93,1003.84 188.28,1003.88 188.63,1003.94 188.97,1004.02 189.3,1004.13 189.63,1004.26 189.94,1004.42 190.25,1004.59 190.54,1004.79 190.81,1005.01 191.07,1005.24 191.14,1005.31 268.47,1082.64 269.98,1084.11 276.24,1089.75 282.88,1094.94 289.86,1099.65 297.16,1103.86 304.73,1107.55 312.54,1110.71 320.56,1113.31 328.73,1115.35 337.03,1116.82 345.41,1117.7 353.83,1117.99 426.32,1117.99 434.74,1118.28 443.12,1119.16 451.42,1120.63 459.59,1122.67 467.61,1125.27 475.42,1128.43 482.99,1132.12 490.29,1136.33 497.27,1141.04 503.91,1146.23 510.17,1151.87 511.68,1153.35 512.83,1154.48 517.64,1158.81 522.73,1162.79 528.1,1166.41 533.7,1169.64 539.51,1172.48 545.51,1174.9 551.66,1176.9 557.94,1178.46 564.31,1179.59 570.74,1180.26 577.21,1180.49 703.01,1180.49 705.12,1180.47 713.53,1180.03 721.89,1179.01 730.16,1177.4 738.3,1175.22 746.27,1172.48 754.02,1169.18 761.53,1165.36 768.75,1161.02 775.65,1156.19 782.2,1150.89 788.36,1145.14 806.72,1126.78 807.23,1126.3 807.78,1125.86 808.35,1125.46 808.96,1125.1 809.58,1124.78 810.23,1124.5 810.89,1124.27 811.57,1124.09 812.26,1123.96 812.95,1123.87 813.65,1123.84 813.83,1123.83 813.83,1228.26 813.8,1229.06 813.72,1229.85 813.58,1230.63 813.39,1231.4 813.14,1232.16 812.84,1232.9 812.49,1233.62 812.1,1234.31 811.65,1234.97 811.16,1235.59 810.63,1236.19 810.49,1236.32 791.26,1217.1 789.76,1215.62 783.5,1209.98 776.86,1204.79 769.88,1200.08 762.58,1195.87 755.01,1192.18 747.2,1189.02 739.18,1186.42 731.01,1184.38 722.71,1182.91 714.33,1182.03 705.91,1181.74 pad.0@701.74,1181.74
  Bottom Layer w47.24: pad.1@411.32,2342.99 429.76,2342.99 439.29,2343.32 448.77,2344.32 458.15,2345.97 467.4,2348.28 476.47,2351.23 485.31,2354.8 493.88,2358.98 502.13,2363.74 510.03,2369.07 517.55,2374.94 524.63,2381.32 526.32,2382.99 536.61,2394.03 546.11,2405.76 554.77,2418.13 562.55,2431.06 569.4,2444.51 575.3,2458.41 580.21,2472.68 584.12,2487.26 587,2502.08 588.84,2517.06 589.63,2532.14 589.67,2535.91 ; 590.49,2541.32 590.49,2592.54 590.51,2593.68 590.75,2598.25 591.3,2602.78 592.17,2607.27 593.36,2611.68 594.84,2616 596.63,2620.21 598.7,2624.28 601.06,2628.19 603.68,2631.94 606.55,2635.49 609.67,2638.83 610.37,2639.53 613.32,2642.18 616.45,2644.63 619.74,2646.85 623.18,2648.83 626.75,2650.57 630.43,2652.06 634.2,2653.29 638.06,2654.25 641.97,2654.94 645.91,2655.35 649.88,2655.49 686.32,2655.49 ; 677.47,2654.67 699.67,2654.67 701.53,2654.65 708.96,2654.26 716.35,2653.35 723.65,2651.93 730.84,2650.01 737.88,2647.59 744.73,2644.68 751.36,2641.3 757.74,2637.47 763.83,2633.2 769.62,2628.52 775.06,2623.44 804.67,2593.83 804.67,2523.42 ; pad.0@804.67,343.83 804.67,1930.44 804.68,1932.13 805.03,1938.87 805.86,1945.57 807.14,1952.19 808.89,1958.71 811.09,1965.1 813.73,1971.31 816.79,1977.32 820.27,1983.11 824.14,1988.64 828.39,1993.88 832.99,1998.82 833.7,1999.52 836.65,2002.18 839.78,2004.62 843.07,2006.84 846.51,2008.83 850.08,2010.57 853.77,2012.06 857.54,2013.29 861.4,2014.25 865.31,2014.94 869.26,2015.35 873.23,2015.49 973.12,2015.49 973.52,2015.5 973.92,2015.55 974.31,2015.61 974.7,2015.71 975.08,2015.83 975.45,2015.98 975.81,2016.16 976.15,2016.36 976.48,2016.58 976.8,2016.83 977.09,2017.1 977.17,2017.17 977.71,2017.75 978.21,2018.36 978.66,2019.01 979.07,2019.69 979.43,2020.4 979.74,2021.13 980,2021.87 980.2,2022.64 980.35,2023.42 980.45,2024.2 980.49,2024.99 980.49,2025.19 980.49,2050.3 973.63,2057.17 902.94,2057.17 ; 804.7,1902.18 804.7,2543.75 ; 808.09,2118.72 846.06,2080.76 850.17,2076.93 854.54,2073.39 859.14,2070.17 863.96,2067.27 868.97,2064.72 874.14,2062.52 879.46,2060.69 884.89,2059.24 890.4,2058.17 895.98,2057.48 901.59,2057.19 902.99,2057.18 ; 815.92,2111.33 815.92,2111.26 815.93,2111.18 815.94,2111.11 815.96,2111.04 815.98,2110.97 816.01,2110.9 816.04,2110.84 816.08,2110.77 816.12,2110.71 816.17,2110.65 816.21,2110.6
  other v1: 805.7,1130.49 806.54,1173.21 807.27,1229.46 938.83,2013.83 977.99,2015.49 977.99,2057.99
$Net2: pad.0@185.5,1507.58 pad.0@671.33,1379.65 pad.0@1295.08,1376.33 pad.1@1582.17,2454.67 pad.1@1868.84,2455.09 | length 3283.3
  Top Layer w10: pad.0@197.99,1509.68 292.64,1415.03 298.8,1409.28 305.35,1403.98 312.25,1399.15 319.47,1394.81 326.98,1390.99 334.73,1387.69 342.7,1384.95 350.84,1382.77 359.11,1381.16 367.47,1380.14 375.88,1379.7 377.99,1379.68 v1@1015.49,1379.68
  Top Layer w11.81: 1487.99,2308.43 1488.02,2311.5 1488.66,2323.77 1490.16,2335.96 1492.51,2348.02 1495.68,2359.88 1499.68,2371.5 1504.48,2382.8 1510.06,2393.75 1516.39,2404.28 1523.43,2414.34 1531.16,2423.89 pad.1@1539.54,2432.87
  Top Layer w51.18: pad.1@1557.17,2454.67 pad.1@1859.67,2454.67
  Bottom Layer w10: v1@1019.24,1375.93 1290.71,1375.93 1290.85,1375.93 1291.44,1375.9 1292.04,1375.83 1292.62,1375.71 1293.2,1375.56 1293.76,1375.36 1294.31,1375.13 1294.84,1374.86 1295.35,1374.55 1295.84,1374.21 1296.3,1373.84 pad.0@1296.74,1373.43 ; 1242.58,1460.57 1242.58,2602.69 1250.08,2610.19 ; 1242.57,1461.74 1242.85,1453.81 1243.68,1445.93 1245.05,1438.12 1246.97,1430.42 1249.42,1422.88 1252.39,1415.53 1255.87,1408.4 1259.83,1401.53 1264.27,1394.96 1269.15,1388.71 1274.46,1382.81 pad.0@1275.85,1381.4 ; 1250.92,2610.92 1251.59,2611.58 1254.39,2614.1 1257.36,2616.42 1260.49,2618.53 1263.75,2620.42 1267.14,2622.07 1270.64,2623.48 1274.23,2624.65 1277.89,2625.56 1281.6,2626.21 1285.35,2626.61 1289.12,2626.74 1302.82,2626.74 1303.86,2626.73 1308.03,2626.51 1312.17,2626 1316.26,2625.21 1320.29,2624.13 1324.23,2622.77 1328.07,2621.14 1331.79,2619.25 1335.36,2617.1 1338.78,2614.71 1342.02,2612.08 1345.07,2609.24 1346.81,2607.47 1353.46,2600.09 1359.57,2592.27 1365.12,2584.04 1370.09,2575.44 1374.44,2566.51 1378.16,2557.31 1381.23,2547.86 1383.63,2538.23 1385.36,2528.45 1386.39,2518.57 1386.74,2508.65 1386.74,2468.18 1387.16,2456.01 1388.44,2443.9 1390.55,2431.91 1393.5,2420.1 1397.26,2408.52 1401.82,2397.23 1407.16,2386.29 1413.25,2375.74 1420.05,2365.65 1427.55,2356.05 1435.7,2347 1437.83,2344.83 1479.29,2303.37 1479.65,2303.04 1480.03,2302.73 1480.43,2302.45 1480.85,2302.2 1481.28,2301.98 1481.73,2301.78 1482.19,2301.63 1482.67,2301.5 1483.14,2301.41 1483.63,2301.35 1484.12,2301.32 v1@1484.24,2301.32
  other v1: 1016.33,1379.67 1482.22,2297.66
$Net3: C15.2 LED1.2 pad.0@185.49,1406.76 pad.0@671.33,2479.65 pad.0@703.02,443.41 pad.0@705.1,543.83 pad.0@705.52,343.02 pad.0@705.94,644.67 pad.1@179.87,1724.45 pad.1@241.33,1724.87 pad.1@327.99,1714.68 pad.1@553.82,1715.49 | length 3422.6
  Top Layer w11.81: pad.1@555.92,1675.08 555.92,1625.12 556.16,1618.37 556.86,1611.66 558.03,1605.01 559.67,1598.47 561.75,1592.05 564.28,1585.79 567.24,1579.72 570.61,1573.88 574.39,1568.28 578.54,1562.96 583.06,1557.95 584.24,1556.74 588.96,1552.34 593.97,1548.28 599.26,1544.58 604.79,1541.25 610.54,1538.32 616.48,1535.8 622.58,1533.7 628.81,1532.03 635.15,1530.8 641.55,1530.01 648,1529.68 649.61,1529.67 v1@732.58,1529.67 ; pad.1@557.17,1693.83 557.26,1691.16 557.54,1688.51 558.01,1685.88 558.65,1683.29 559.48,1680.75 560.48,1678.28 561.64,1675.88 562.98,1673.57 564.47,1671.36 566.11,1669.26 567.9,1667.27 568.36,1666.8 570.13,1665.03 576.29,1659.28 582.84,1653.98 589.74,1649.15 596.96,1644.81 604.47,1640.99 612.22,1637.69 620.19,1634.95 628.33,1632.77 636.6,1631.16 644.96,1630.14 653.37,1629.7 655.49,1629.68 698.92,1629.68 699.86,1629.67 703.63,1629.47 707.38,1629.01 711.09,1628.29 714.74,1627.31 718.31,1626.08 721.78,1624.61 725.15,1622.89 728.38,1620.95 731.47,1618.78 734.41,1616.4 737.17,1613.83 736.9,1613.54 736.65,1613.23 736.42,1612.9 736.21,1612.56 736.03,1612.2 735.87,1611.83 735.74,1611.45 735.64,1611.07 735.56,1610.68 735.51,1610.28 735.49,1609.88 735.49,1609.79 735.49,1540.49 735.49,1540.28 735.45,1539.44 735.34,1538.6 735.18,1537.78 734.97,1536.96 734.69,1536.17 734.36,1535.39 733.98,1534.64 733.55,1533.92 733.06,1533.23 732.53,1532.58 v1@731.96,1531.96
  Top Layer w23.62: pad.0@173.82,1412.99 165.01,1421.8 163.54,1423.31 157.9,1429.57 152.71,1436.21 148,1443.19 143.79,1450.49 140.1,1458.06 136.94,1465.87 134.34,1473.89 132.3,1482.06 130.83,1490.36 129.95,1498.74 129.66,1507.16 129.66,1622.99 129.68,1625.11 130.12,1633.52 131.14,1641.88 132.75,1650.15 134.93,1658.29 137.67,1666.26 140.97,1674.01 144.79,1681.52 149.13,1688.74 153.96,1695.64 159.26,1702.19 165.01,1708.35 178.41,1721.74 pad.1@361.33,1721.74 ; pad.1@321.33,1715.08 524.55,1715.08 526.53,1715.15 528.51,1715.36 530.47,1715.7 532.39,1716.18 534.28,1716.8 536.12,1717.54 537.91,1718.41 539.63,1719.4 541.27,1720.51 542.84,1721.74 544.31,1723.06 pad.1@544.67,1723.42
  Top Layer w39.37: pad.1@544.67,1723.42 547.97,1723.54 551.25,1723.88 554.5,1724.45 557.7,1725.25 560.84,1726.27 563.9,1727.51 566.87,1728.95 569.72,1730.6 572.46,1732.45 575.06,1734.48 577.51,1736.69 578.1,1737.26 582.01,1741.46 585.62,1745.91 588.91,1750.61 591.87,1755.53 594.47,1760.64 596.71,1765.92 598.58,1771.34 600.06,1776.88 601.16,1782.51 601.86,1788.21 602.16,1793.94 602.17,1795.37 602.17,2363 602.19,2365.11 602.63,2373.52 603.65,2381.88 605.26,2390.15 607.44,2398.29 610.18,2406.26 613.48,2414.01 617.3,2421.52 621.64,2428.74 626.47,2435.64 631.77,2442.19 637.52,2448.35 pad.0@681.33,2492.17
  Bottom Layer w39.37: pad.0@705.49,344.68 705.49,611.45 705.5,612.98 705.82,619.13 706.57,625.24 707.75,631.29 709.34,637.24 711.35,643.06 713.75,648.73 716.55,654.22 719.72,659.49 723.25,664.54 727.13,669.33 731.33,673.83 732.21,674.77 733.02,675.77 733.76,676.83 734.42,677.94 735.01,679.08 735.51,680.27 735.93,681.49 736.27,682.74 736.51,684 736.67,685.28 736.74,686.57 736.74,686.89 v1@736.74,1609.68
  other v1: 735.91,1534.24 735.08,1570.92 735.49,1612.99